# Altium PCB PCB1.PcbDoc (part 1 of 2)
Units mil, origin at the board's own origin, x right, y up, seen from the top; angles counter-clockwise.
Board outline 7330 x 4600 mil, 4 copper layers (Top Layer, GND1, GND2, Bottom Layer), stack 23.756 mil thick; 61 components, 109 nets, 616 pads, 1059 vias.
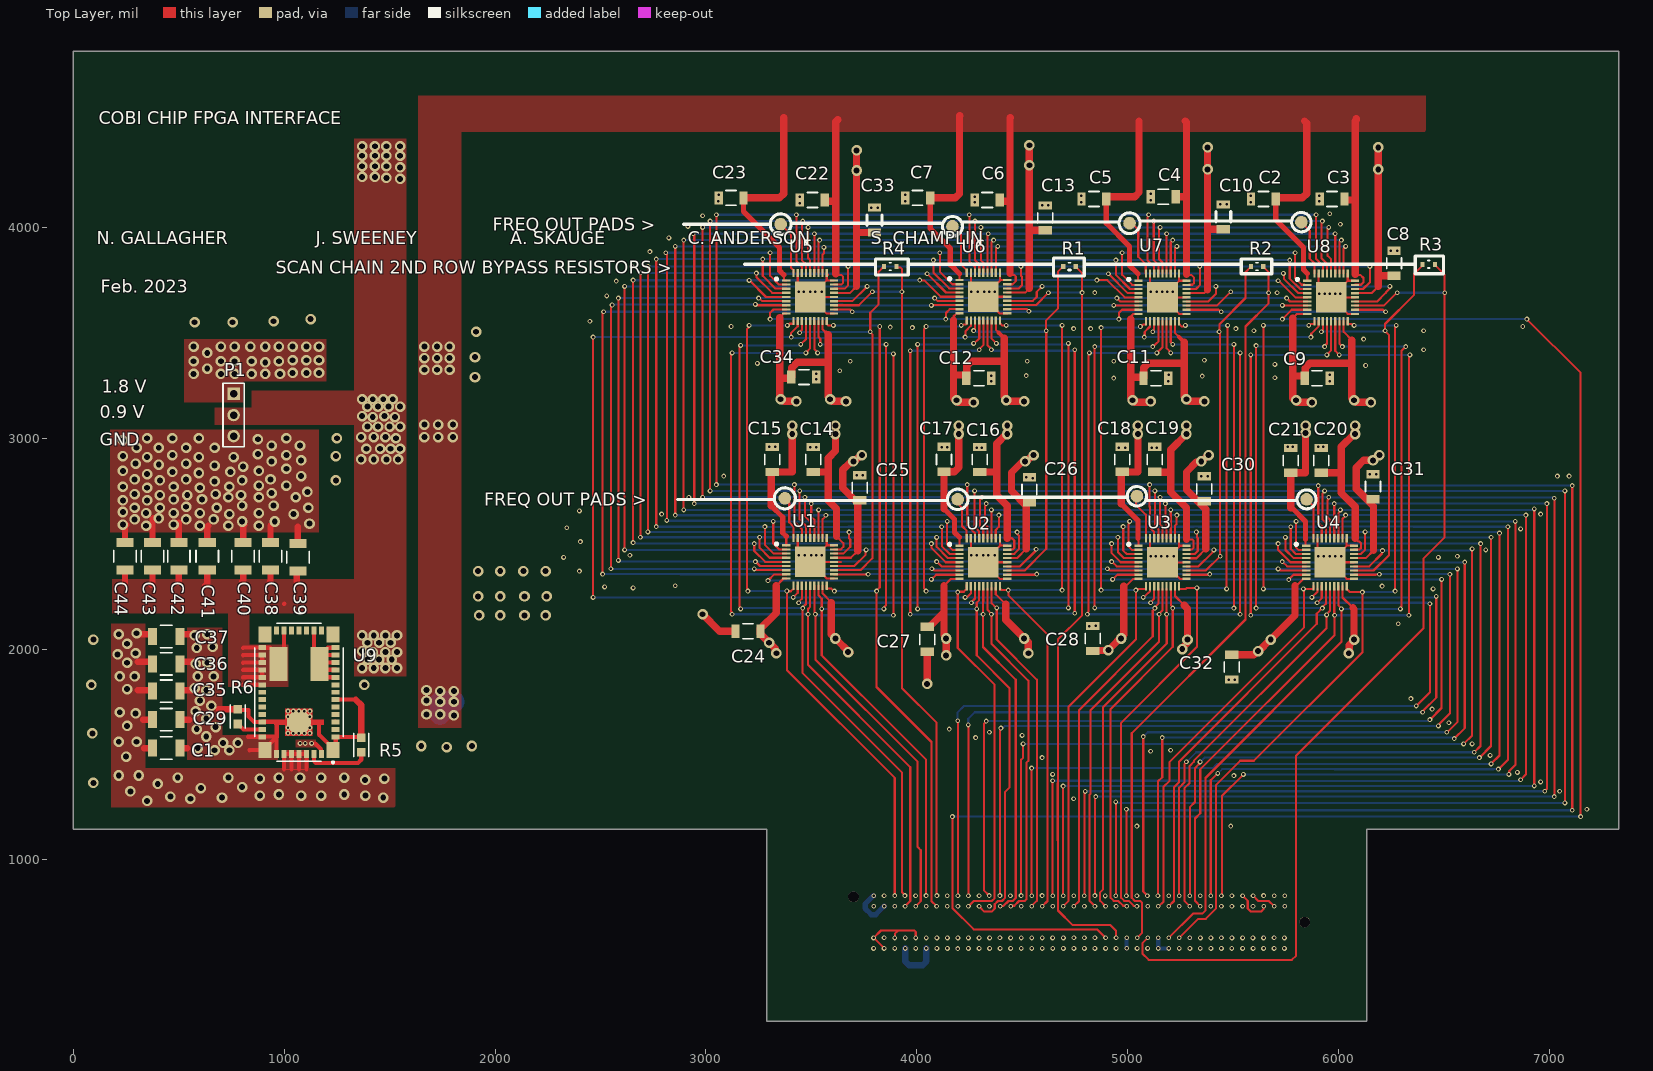
[diagram p0: Top Layer view]
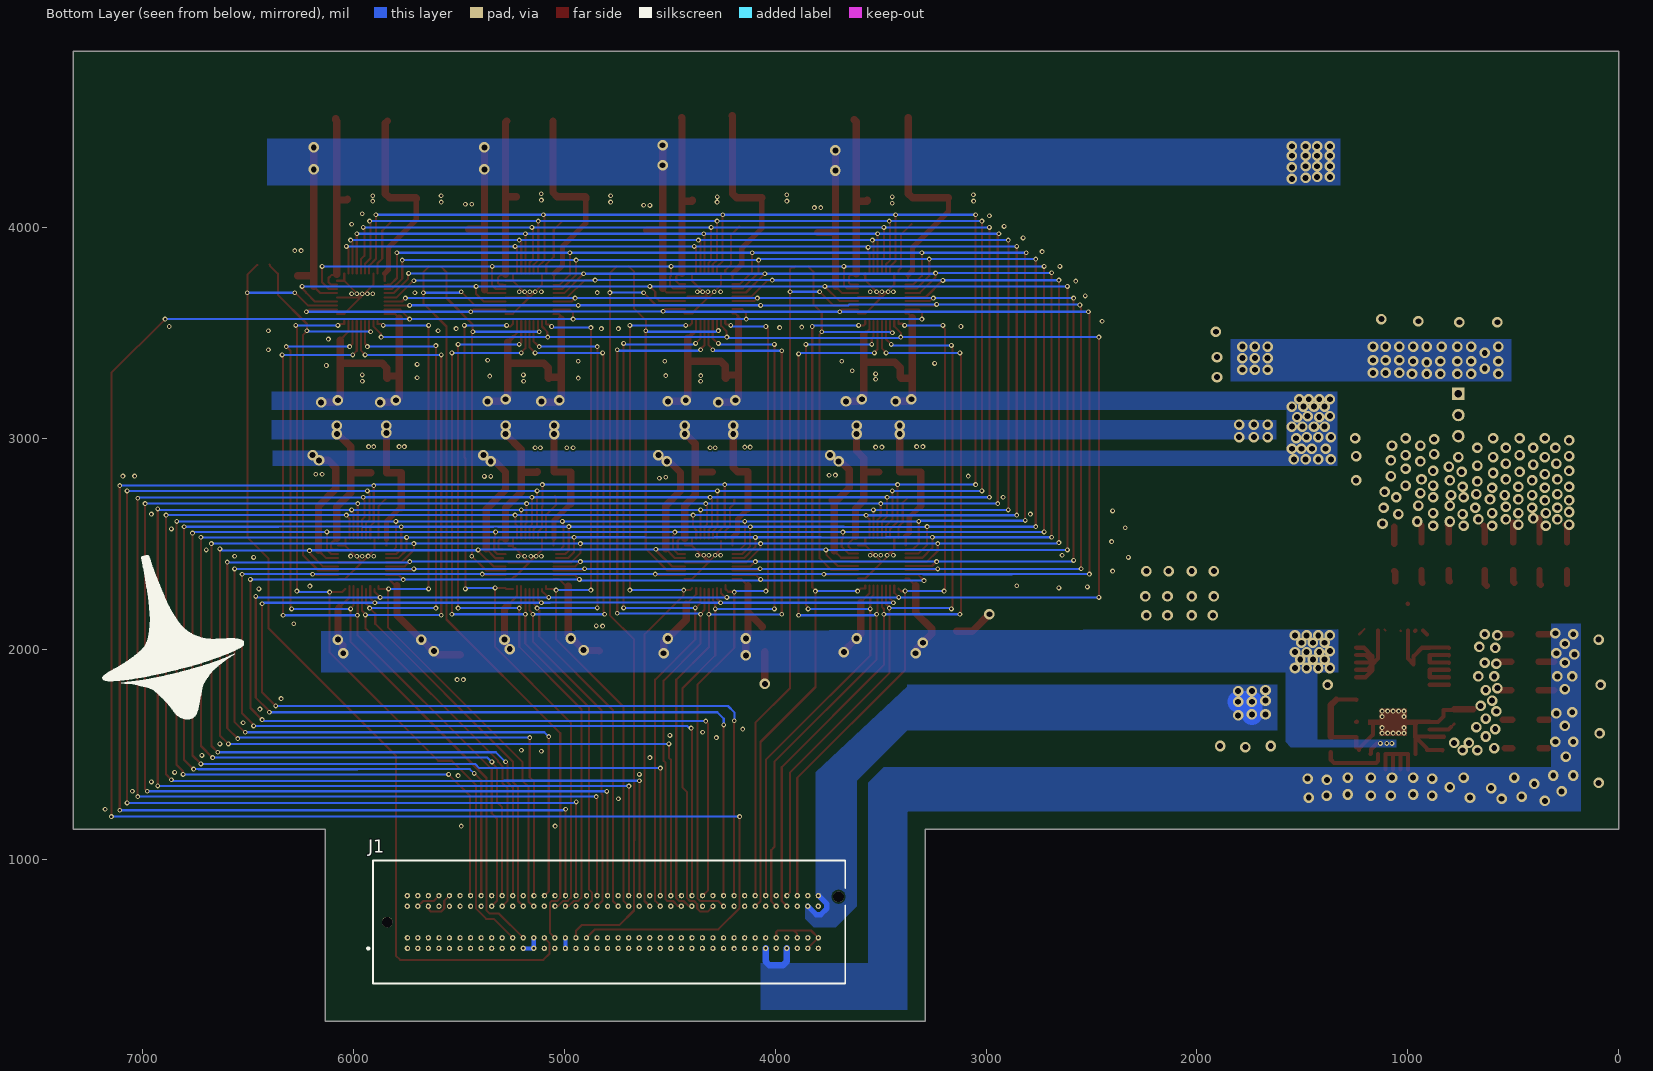
[diagram p1: Bottom Layer view, seen from below]
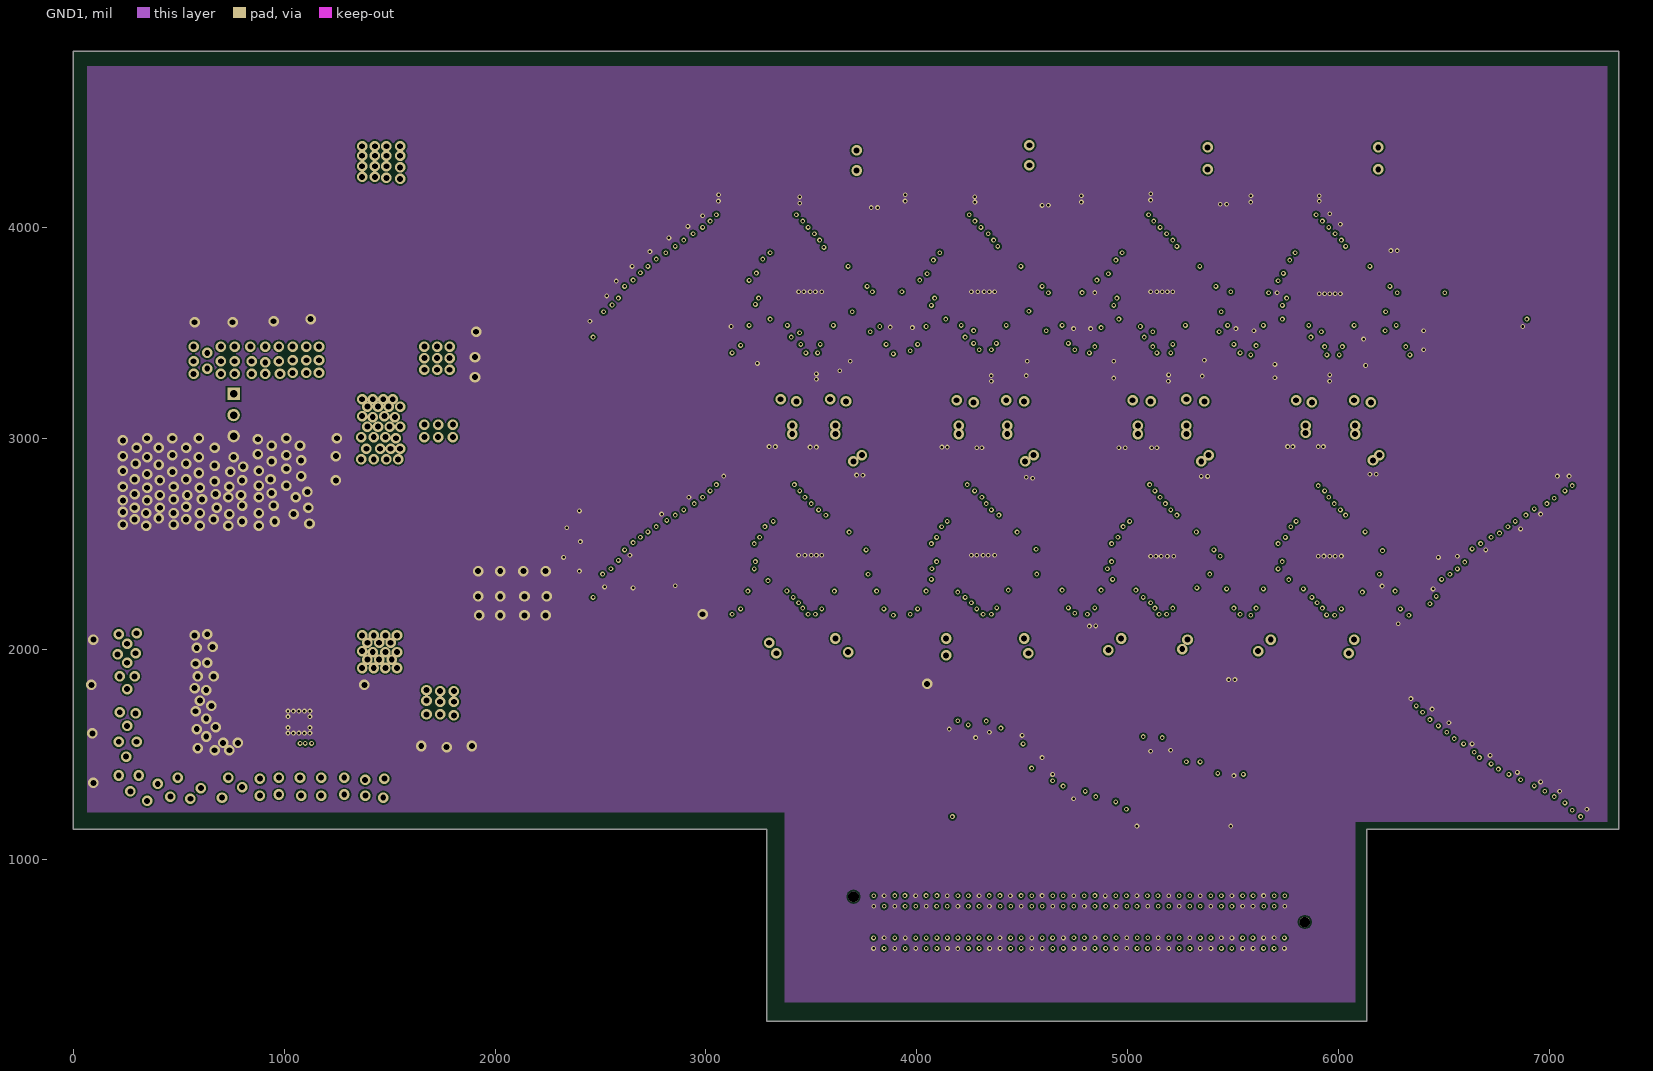
[diagram p2: GND1]
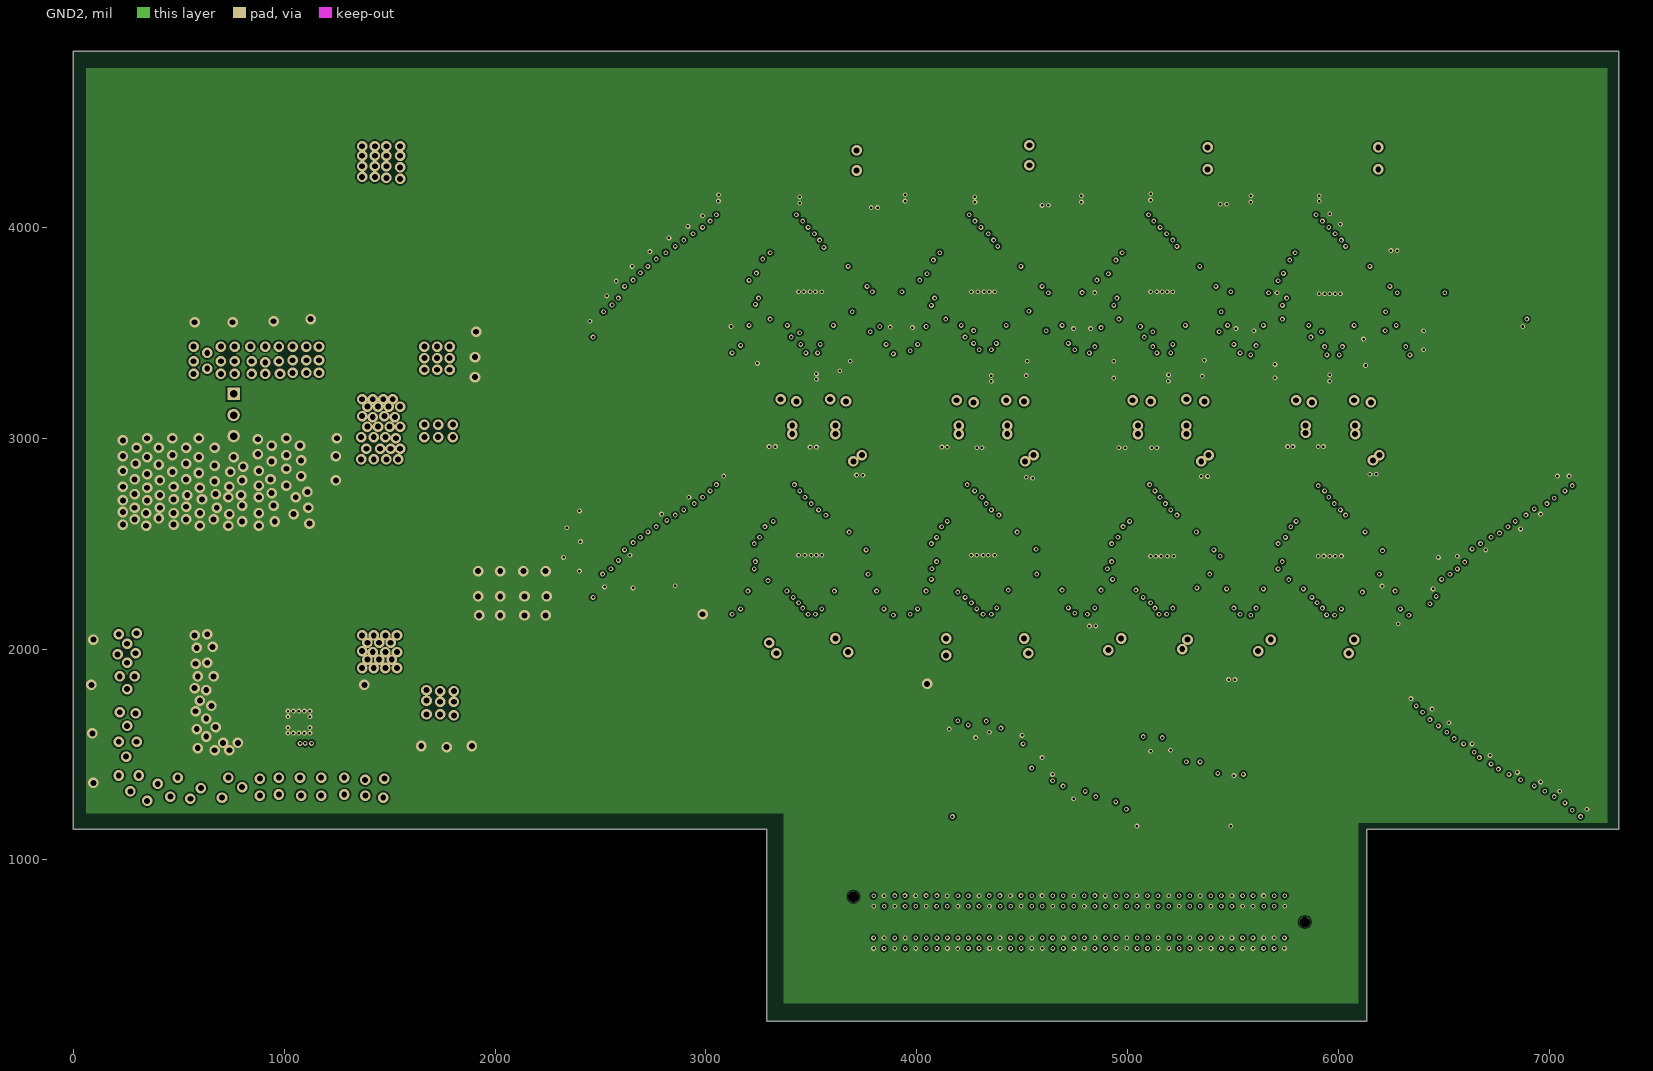
[diagram p3: GND2]
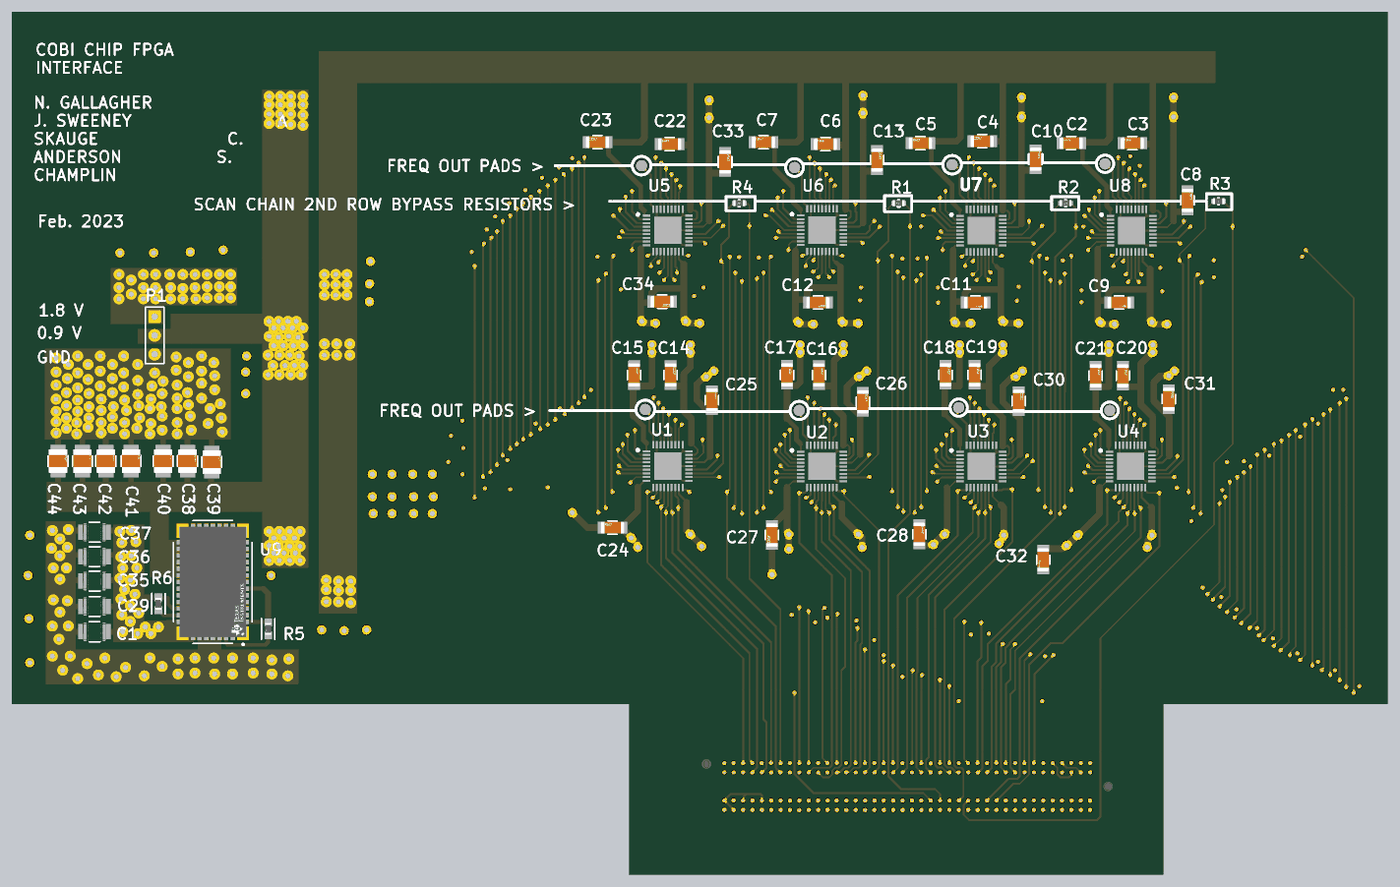
[diagram p5: 3D render of the assembled board from above, using the file's embedded part models]

## Layer stack, top to bottom
Top Solder: solder mask 0.4, Solder Resist, Dk 3.5
Top Layer: signal copper 1.4
Dielectric 2: prepreg 2.8, PP-006, Dk 4.1
GND1: signal copper 1.378
Dielectric 1: dielectric 12.6, FR-4, Dk 4.8
GND2: signal copper 1.378
Dielectric 3: prepreg 2.8, PP-006, Dk 4.1
Bottom Layer: signal copper 1.4
Bottom Solder: solder mask 0.4, Solder Resist, Dk 3.5

## Board outline
3290,1145 3290,235 6135.06,235 6135,235.06 6135,1145 7330,1145 7330,4835 0,4835 0,1145

## Design rules (kind name [scope] priority, off if disabled: settings)
Clearance [All] p1: gap=7.87 ignorepadtopadclearanceinfootprint=FALSE
PolygonConnect [All] p1: connectstyle=Direct reliefconductorwidth=10 reliefentries=4 polygonreliefangle="90 Angle" airgapwidth=10
RoomDefinition Sheet1 [InComponentClass('Sheet1')] p1: confinementstyle=ConfineIn formatcopy=TRUE lockcomponents=FALSE outline 1680,7115 1680,120 6305,120 6305,7115
RoutingVias [All] p1: holewidth=11.81 width=23.62 viastyle="Through Hole" minholewidth=11.81 minwidth=23.62 maxholewidth=11.81 maxwidth=23.62 useviatemplates=TRUE viatemplateguid#1={860A2104-3629-419E-BE00-E7652B3B5E97} viatemplatename#1=v58h30
SilkToSolderMaskClearance [IsPad] p1: minsilkscreentomaskgap=39.37 clearancetoexposedcopper=TRUE
SolderMaskExpansion [All] p1: expansion=4 istentingtop=FALSE
Width [All] p1: maxlimit=250 minlimit=11.81 preferedwidth=11.81 minimp=50.000000 maximp=50.000000 favimp=50.000000
29 further rules are at their usual default settings.

## Components (designator, comment, footprint, x,y, rotation, side; value= is the part's Value field where it differs from the comment)
C1 "GRM32ER61E226KE15L" FP-GRM32-MFG 440,1530 r0 top value=22uF
C2 "12061C104KAZ2A" FP-1206-L_3_2_0_2-W_1_6_0-MFG 5645,4135 r180 top
C3 "12061C104KAZ2A" FP-1206-L_3_2_0_2-W_1_6_0-MFG 5970.94,4135 r180 top
C4 "12061C104KAZ2A" FP-1206-L_3_2_0_2-W_1_6_0-MFG 5170,4145 r180 top
C5 "12061C104KAZ2A" FP-1206-L_3_2_0_2-W_1_6_0-MFG 4840.94,4135 r180 top
C6 "12061C104KAZ2A" FP-1206-L_3_2_0_2-W_1_6_0-MFG 4335,4130 r180 top
C7 "12061C104KAZ2A" FP-1206-L_3_2_0_2-W_1_6_0-MFG 4005,4140 r180 top
C8 "12061C104KAZ2A" FP-1206-L_3_2_0_2-W_1_6_0-MFG 6265,3830 r90 top
C9 "12061C104KAZ2A" FP-1206-L_3_2_0_2-W_1_6_0-MFG 5900,3285 r0 top
C10 "12061C104KAZ2A" FP-1206-L_3_2_0_2-W_1_6_0-MFG 5455,4050 r90 top
C11 "12061C104KAZ2A" FP-1206-L_3_2_0_2-W_1_6_0-MFG 5135,3285 r0 top
C12 "12061C104KAZ2A" FP-1206-L_3_2_0_2-W_1_6_0-MFG 4295,3285 r0 top
C13 "12061C104KAZ2A" FP-1206-L_3_2_0_2-W_1_6_0-MFG 4610,4045 r90 top
C14 "12061C104KAZ2A" FP-1206-L_3_2_0_2-W_1_6_0-MFG 3510,2899.06 r90 top
C15 "12061C104KAZ2A" FP-1206-L_3_2_0_2-W_1_6_0-MFG 3315,2899.06 r90 top
C16 "12061C104KAZ2A" FP-1206-L_3_2_0_2-W_1_6_0-MFG 4300,2899.06 r90 top
C17 "12061C104KAZ2A" FP-1206-L_3_2_0_2-W_1_6_0-MFG 4130,2900 r90 top
C18 "12061C104KAZ2A" FP-1206-L_3_2_0_2-W_1_6_0-MFG 4975,2900 r90 top
C19 "12061C104KAZ2A" FP-1206-L_3_2_0_2-W_1_6_0-MFG 5130,2900 r90 top
C20 "12061C104KAZ2A" FP-1206-L_3_2_0_2-W_1_6_0-MFG 5920,2895 r90 top
C21 "12061C104KAZ2A" FP-1206-L_3_2_0_2-W_1_6_0-MFG 5775,2895 r90 top
C22 "12061C104KAZ2A" FP-1206-L_3_2_0_2-W_1_6_0-MFG 3505,4130 r180 top
C23 "12061C104KAZ2A" FP-1206-L_3_2_0_2-W_1_6_0-MFG 3120,4140 r180 top
C24 "12061C104KAZ2A" FP-1206-L_3_2_0_2-W_1_6_0-MFG 3200,2085 r180 top
C25 "12061C104KAZ2A" FP-1206-L_3_2_0_2-W_1_6_0-MFG 3730,2765 r90 top
C26 "12061C104KAZ2A" FP-1206-L_3_2_0_2-W_1_6_0-MFG 4535,2755.94 r90 top
C27 "12061C104KAZ2A" FP-1206-L_3_2_0_2-W_1_6_0-MFG 4050,2045.94 r270 top
C28 "12061C104KAZ2A" FP-1206-L_3_2_0_2-W_1_6_0-MFG 4835,2050 r90 top
C29 "GRM32ER61E226KE15L" FP-GRM32-MFG 440,1665 r0 top value=22uF
C30 "12061C104KAZ2A" FP-1206-L_3_2_0_2-W_1_6_0-MFG 5365,2760 r90 top
C31 "12061C104KAZ2A" FP-1206-L_3_2_0_2-W_1_6_0-MFG 6165,2770 r90 top
C32 "12061C104KAZ2A" FP-1206-L_3_2_0_2-W_1_6_0-MFG 5495,1914.06 r270 top
C33 "12061C104KAZ2A" FP-1206-L_3_2_0_2-W_1_6_0-MFG 3800,4035 r90 top
C34 "12061C104KAZ2A" FP-1206-L_3_2_0_2-W_1_6_0-MFG 3465,3290 r0 top
C35 "GRM32ER61E226KE15L" FP-GRM32-MFG 440,1800 r0 top value=22uF
C36 "GRM32ER61E226KE15L" FP-GRM32-MFG 440,1930 r0 top value=22uF
C37 "GRM32ER61E226KE15L" FP-GRM32-MFG 440,2060 r0 top value=22uF
C38 "GRM32ER60J476ME20L" FP-GRM32E-0_3-0_2-MFG 935,2440 r90 top
C39 "GRM32ER60J476ME20L" FP-GRM32E-0_3-0_2-MFG 1065,2435 r90 top
C40 "GRM32ER60J476ME20L" FP-GRM32E-0_3-0_2-MFG 805,2440 r90 top
C41 "GRM32ER60J476ME20L" FP-GRM32E-0_3-0_2-MFG 635,2440 r90 top
C42 "GRM32ER60J476ME20L" FP-GRM32E-0_3-0_2-MFG 500,2440 r90 top
C43 "GRM32ER60J476ME20L" FP-GRM32E-0_3-0_2-MFG 375,2440 r90 top
C44 "GRM32ER60J476ME20L" FP-GRM32E-0_3-0_2-MFG 245,2440 r90 top
J1 "ASP-134606-01" FP-ASP-134606-01-MFG 4771.03,705 r0 bottom
P1 "Header 3" HDR1X3 760,3210 r270 top
R1 "0 ohm" FP-RK73Z1J-MFG 4725,3815 r180 top
R2 "0 ohm" FP-RK73Z1J-MFG 5615,3815 r180 top
R3 "0 ohm" FP-RK73Z1J-MFG 6430,3825 r180 top
R4 "0 ohm" FP-RK73Z1J-MFG 3875,3815 r180 top
R5 "AC0603FR-072K87L" FP-AC0603-IPC_A 1365,1545 r270 top
R6 "261KΩ 0603 resistor" FP-AC0603-IPC_A 780,1679.52 r90 top
U1 "COBITX_COBISHIL" "QFN36 - duplicate" 3495,2413.39 r0 top
U2 "COBITX_COBISHIL" "QFN36 - duplicate" 4316.26,2411.61 r0 top
U3 "COBITX_COBISHIL" "QFN36 - duplicate" 5166.26,2411.61 r0 top
U4 "COBITX_COBISHIL" "QFN36 - duplicate" 5961.26,2411.61 r0 top
U5 "COBITX_COBISHIL" "QFN36 - duplicate" 3495,3670 r0 top
U6 "COBITX_COBISHIL" "QFN36 - duplicate" 4316.61,3671.26 r0 top
U7 "COBITX_COBISHIL" "QFN36 - duplicate" 5166.26,3668.39 r0 top
U8 "COBITX_COBISHIL" "QFN36 - duplicate" 5966.26,3668.39 r0 top
U9 "LMZ31506RUQT" FP-RUQ0047A-MFG 1070,1795 r90 top

## Footprints (in the part's own frame and the unit in brackets; to place one, negate y for a bottom-side part, rotate by r counter-clockwise, add the part's x,y. Pads: shape width x height; smd on the part's side, far side on the other; paste and mask are expansions set on the pad)
FP-1206-L_3_2_0_2-W_1_6_0-MFG [mm]
  rect 1x1.6 smd paste+0 mask+0: 1(-1.5,0) 2(1.5,0)
  silkscreen extent -0.63,-0.9 0.63,0.9, body extent -1.6,-0.8 1.6,0.8, height 1.27
FP-AC0603-IPC_A [mil]
  rect 41.68x39.85 smd paste+0 mask+0: 1(-34.52,0) 2(34.52,0)
  silkscreen extent -55,-36 55,36, body extent -75,-40 75,40, height 10
FP-ASP-134606-01-MFG [mm]
  round 0.64 smd paste-1000 mask-1000: C1(24.765,3.175) C2(23.495,3.175) C3(22.225,3.175) C4(20.955,3.175) C5(19.685,3.175) C6(18.415,3.175) C7(17.145,3.175) C8(15.875,3.175) C9(14.605,3.175) C10(13.335,3.175) C11(12.065,3.175) C12(10.795,3.175) C13(9.525,3.175) C14(8.255,3.175) C15(6.985,3.175) C16(5.715,3.175) C17(4.445,3.175) C18(3.175,3.175) C19(1.905,3.175) C20(0.635,3.175) C21(-0.635,3.175) C22(-1.905,3.175) C23(-3.175,3.175) C24(-4.445,3.175) C25(-5.715,3.175) C26(-6.985,3.175) C27(-8.255,3.175) C28(-9.525,3.175) C29(-10.795,3.175) C30(-12.065,3.175) C31(-13.335,3.175) C32(-14.605,3.175) C33(-15.875,3.175) C34(-17.145,3.175) C35(-18.415,3.175) C36(-19.685,3.175) C37(-20.955,3.175) C38(-22.225,3.175) C39(-23.495,3.175) C40(-24.765,3.175) D1(24.765,1.905) D2(23.495,1.905) D3(22.225,1.905) D4(20.955,1.905) D5(19.685,1.905) D6(18.415,1.905) D7(17.145,1.905) D8(15.875,1.905) D9(14.605,1.905) D10(13.335,1.905) D11(12.065,1.905) D12(10.795,1.905) D13(9.525,1.905) D14(8.255,1.905) D15(6.985,1.905) D16(5.715,1.905) D17(4.445,1.905) D18(3.175,1.905) D19(1.905,1.905) D20(0.635,1.905) D21(-0.635,1.905) D22(-1.905,1.905) D23(-3.175,1.905) D24(-4.445,1.905) D25(-5.715,1.905) D26(-6.985,1.905) D27(-8.255,1.905) D28(-9.525,1.905) D29(-10.795,1.905) D30(-12.065,1.905) D31(-13.335,1.905) D32(-14.605,1.905) D33(-15.875,1.905) D34(-17.145,1.905) D35(-18.415,1.905) D36(-19.685,1.905) D37(-20.955,1.905) D38(-22.225,1.905) D39(-23.495,1.905) D40(-24.765,1.905) G1(24.765,-1.905) G2(23.495,-1.905) G3(22.225,-1.905) G4(20.955,-1.905) G5(19.685,-1.905) G6(18.415,-1.905) G7(17.145,-1.905) G8(15.875,-1.905) G9(14.605,-1.905) G10(13.335,-1.905) G11(12.065,-1.905) G12(10.795,-1.905) G13(9.525,-1.905) G14(8.255,-1.905) G15(6.985,-1.905) G16(5.715,-1.905) G17(4.445,-1.905) G18(3.175,-1.905) G19(1.905,-1.905) G20(0.635,-1.905) G21(-0.635,-1.905) G22(-1.905,-1.905) G23(-3.175,-1.905) G24(-4.445,-1.905) G25(-5.715,-1.905) G26(-6.985,-1.905) G27(-8.255,-1.905) G28(-9.525,-1.905) G29(-10.795,-1.905) G30(-12.065,-1.905) G31(-13.335,-1.905) G32(-14.605,-1.905) G33(-15.875,-1.905) G34(-17.145,-1.905) G35(-18.415,-1.905) G36(-19.685,-1.905) G37(-20.955,-1.905) G38(-22.225,-1.905) G39(-23.495,-1.905) G40(-24.765,-1.905) H1(24.765,-3.175) H2(23.495,-3.175) H3(22.225,-3.175) H4(20.955,-3.175) H5(19.685,-3.175) H6(18.415,-3.175) H7(17.145,-3.175) H8(15.875,-3.175) H9(14.605,-3.175) H10(13.335,-3.175) H11(12.065,-3.175) H12(10.795,-3.175) H13(9.525,-3.175) H14(8.255,-3.175) H15(6.985,-3.175) H16(5.715,-3.175) H17(4.445,-3.175) H18(3.175,-3.175) H19(1.905,-3.175) H20(0.635,-3.175) H21(-0.635,-3.175) H22(-1.905,-3.175) H23(-3.175,-3.175) H24(-4.445,-3.175) H25(-5.715,-3.175) H26(-6.985,-3.175) H27(-8.255,-3.175) H28(-9.525,-3.175) H29(-10.795,-3.175) H30(-12.065,-3.175) H31(-13.335,-3.175) H32(-14.605,-3.175) H33(-15.875,-3.175) H34(-17.145,-3.175) H35(-18.415,-3.175) H36(-19.685,-3.175) H37(-20.955,-3.175) H38(-22.225,-3.175) H39(-23.495,-3.175) H40(-24.765,-3.175)
  round 1.27 hole 1.27 unplated paste-1000 mask+0: ""(-27.191,-3.048) ""(27.191,0)
  silkscreen extent -28.02,-7.4 29.59,7.4, body extent -27.89,-7.34 28.78,7.34, height 5.74
FP-GRM32-MFG [mm]
  rect 1.1x2.05 smd paste+0 mask+0: 1(-1.65,0) 2(1.65,0)
  silkscreen extent -0.72,-1.35 0.72,1.35, body extent -2.3,-1.45 2.3,1.45, height 0.25
FP-GRM32E-0_3-0_2-MFG [mm]
  rect 1.1x2.05 smd paste+0 mask+0: 1(-1.65,0) 2(1.65,0)
  silkscreen extent -0.72,-1.35 0.72,1.35, body extent -2.3,-1.45 2.3,1.45, height 0.25
FP-RK73Z1J-MFG [mm]
  rect 0.5x0.6 smd paste+0 mask+0: 1(-0.75,0) 2(0.75,0)
  silkscreen extent -0.12,-0.45 0.12,0.45, body extent -1.1,-0.55 1.1,0.55, height 0.25
FP-RUQ0047A-MFG [mm]
  rect 1.9x1.6 smd paste-1000 mask+0: 1(-6.95,-4.1) 15(6.95,-4.1) 23(6.95,4.1) 37(-6.95,4.1)
  rect 0.6x0.95 smd paste-1000 mask+0: 2(-5.4,-4.425) 3(-4.5,-4.425) 4(-3.6,-4.425) 5(-2.7,-4.425) 6(-1.8,-4.425) 7(-0.9,-4.425) 8(0,-4.425) 9(0.9,-4.425) 10(1.8,-4.425) 11(2.7,-4.425) 12(3.6,-4.425) 13(4.5,-4.425) 14(5.4,-4.425) 24(5.4,4.425) 25(4.5,4.425) 26(3.6,4.425) 27(2.7,4.425) 28(1.8,4.425) 29(0.9,4.425) 30(0,4.425) 31(-0.9,4.425) 32(-1.8,4.425) 33(-2.7,4.425) 34(-3.6,4.425) 35(-4.5,4.425) 36(-5.4,4.425)
  rect 0.95x0.6 smd paste-1000 mask+0: 16(7.425,-2.7) 17(7.425,-1.8) 18(7.425,-0.9) 19(7.425,0) 20(7.425,0.9) 21(7.425,1.8) 22(7.425,2.7) 38(-7.425,2.7) 39(-7.425,1.8) 40(-7.425,0.9) 41(-7.425,0) 42(-7.425,-0.9) 43(-7.425,-1.8) 44(-7.425,-2.7)
  round 2.925 smd paste-1000 mask-1000: 45(-3.6,0)
  rect 4.1x2.2 smd paste-1000 mask+0: 46(3.375,-2.475) 47(3.375,2.475)
  Top Layer region: -5.225,1.625 -3.9,1.625 -3.9,3 -3.3,3 -3.3,1.625 -1.975,1.625 -1.975,-1.625 -3.3,-1.625 -3.3,-3 -3.9,-3 -3.9,-1.625 -5.225,-1.625 -5.225,1.625
  silkscreen extent -8.57,-5.33 8.32,5.32, body extent -8,-5 8,5, height 0.25
HDR1X3 [mm] "Connector; Header; 3 Position"
  rect 1.5x1.5 hole 0.9: 1(0,0)
  round 1.5 hole 0.9: 2(2.54,0) 3(5.08,0)
  silkscreen extent -1.27,-1.27 6.35,1.27
"QFN36 - duplicate" [mm]
  rect 0.99x0.27 smd mask+0: 1(-2.88,2) 2(-2.88,1.5) 3(-2.88,1) 4(-2.88,0.5) 5(-2.88,0) 6(-2.88,-0.5) 7(-2.88,-1) 8(-2.88,-1.5) 9(-2.88,-2) 19(2.88,-2) 20(2.88,-1.5) 21(2.88,-1) 22(2.88,-0.5) 23(2.88,0) 24(2.88,0.5) 25(2.88,1) 26(2.88,1.5) 27(2.88,2)
  rect 0.27x0.99 smd mask+0: 10(-2,-2.88) 11(-1.5,-2.88) 12(-1,-2.88) 13(-0.5,-2.88) 14(0,-2.88) 15(0.5,-2.88) 16(1,-2.88) 17(1.5,-2.88) 18(2,-2.88) 28(2,2.88) 29(1.5,2.88) 30(1,2.88) 31(0.5,2.88) 32(0,2.88) 33(-0.5,2.88) 34(-1,2.88) 35(-1.5,2.88) 36(-2,2.88)
  rect 3.7x3.7 smd mask+0: 37(0,0)
  silkscreen extent -4.19,2.03 -3.94,2.29
